# Altium PCB BMS Slave V0.1.PcbDoc (part 2 of 6)
Units mm, origin at the board's own origin, x right, y up, seen from the top; angles counter-clockwise.
Board outline 105 x 163 mm, 4 copper layers (Top Layer, L2 (GND), L3 (PWR), Bottom Layer), stack 1.56 mm thick; 517 components, 382 nets, 1358 pads, 1315 vias.
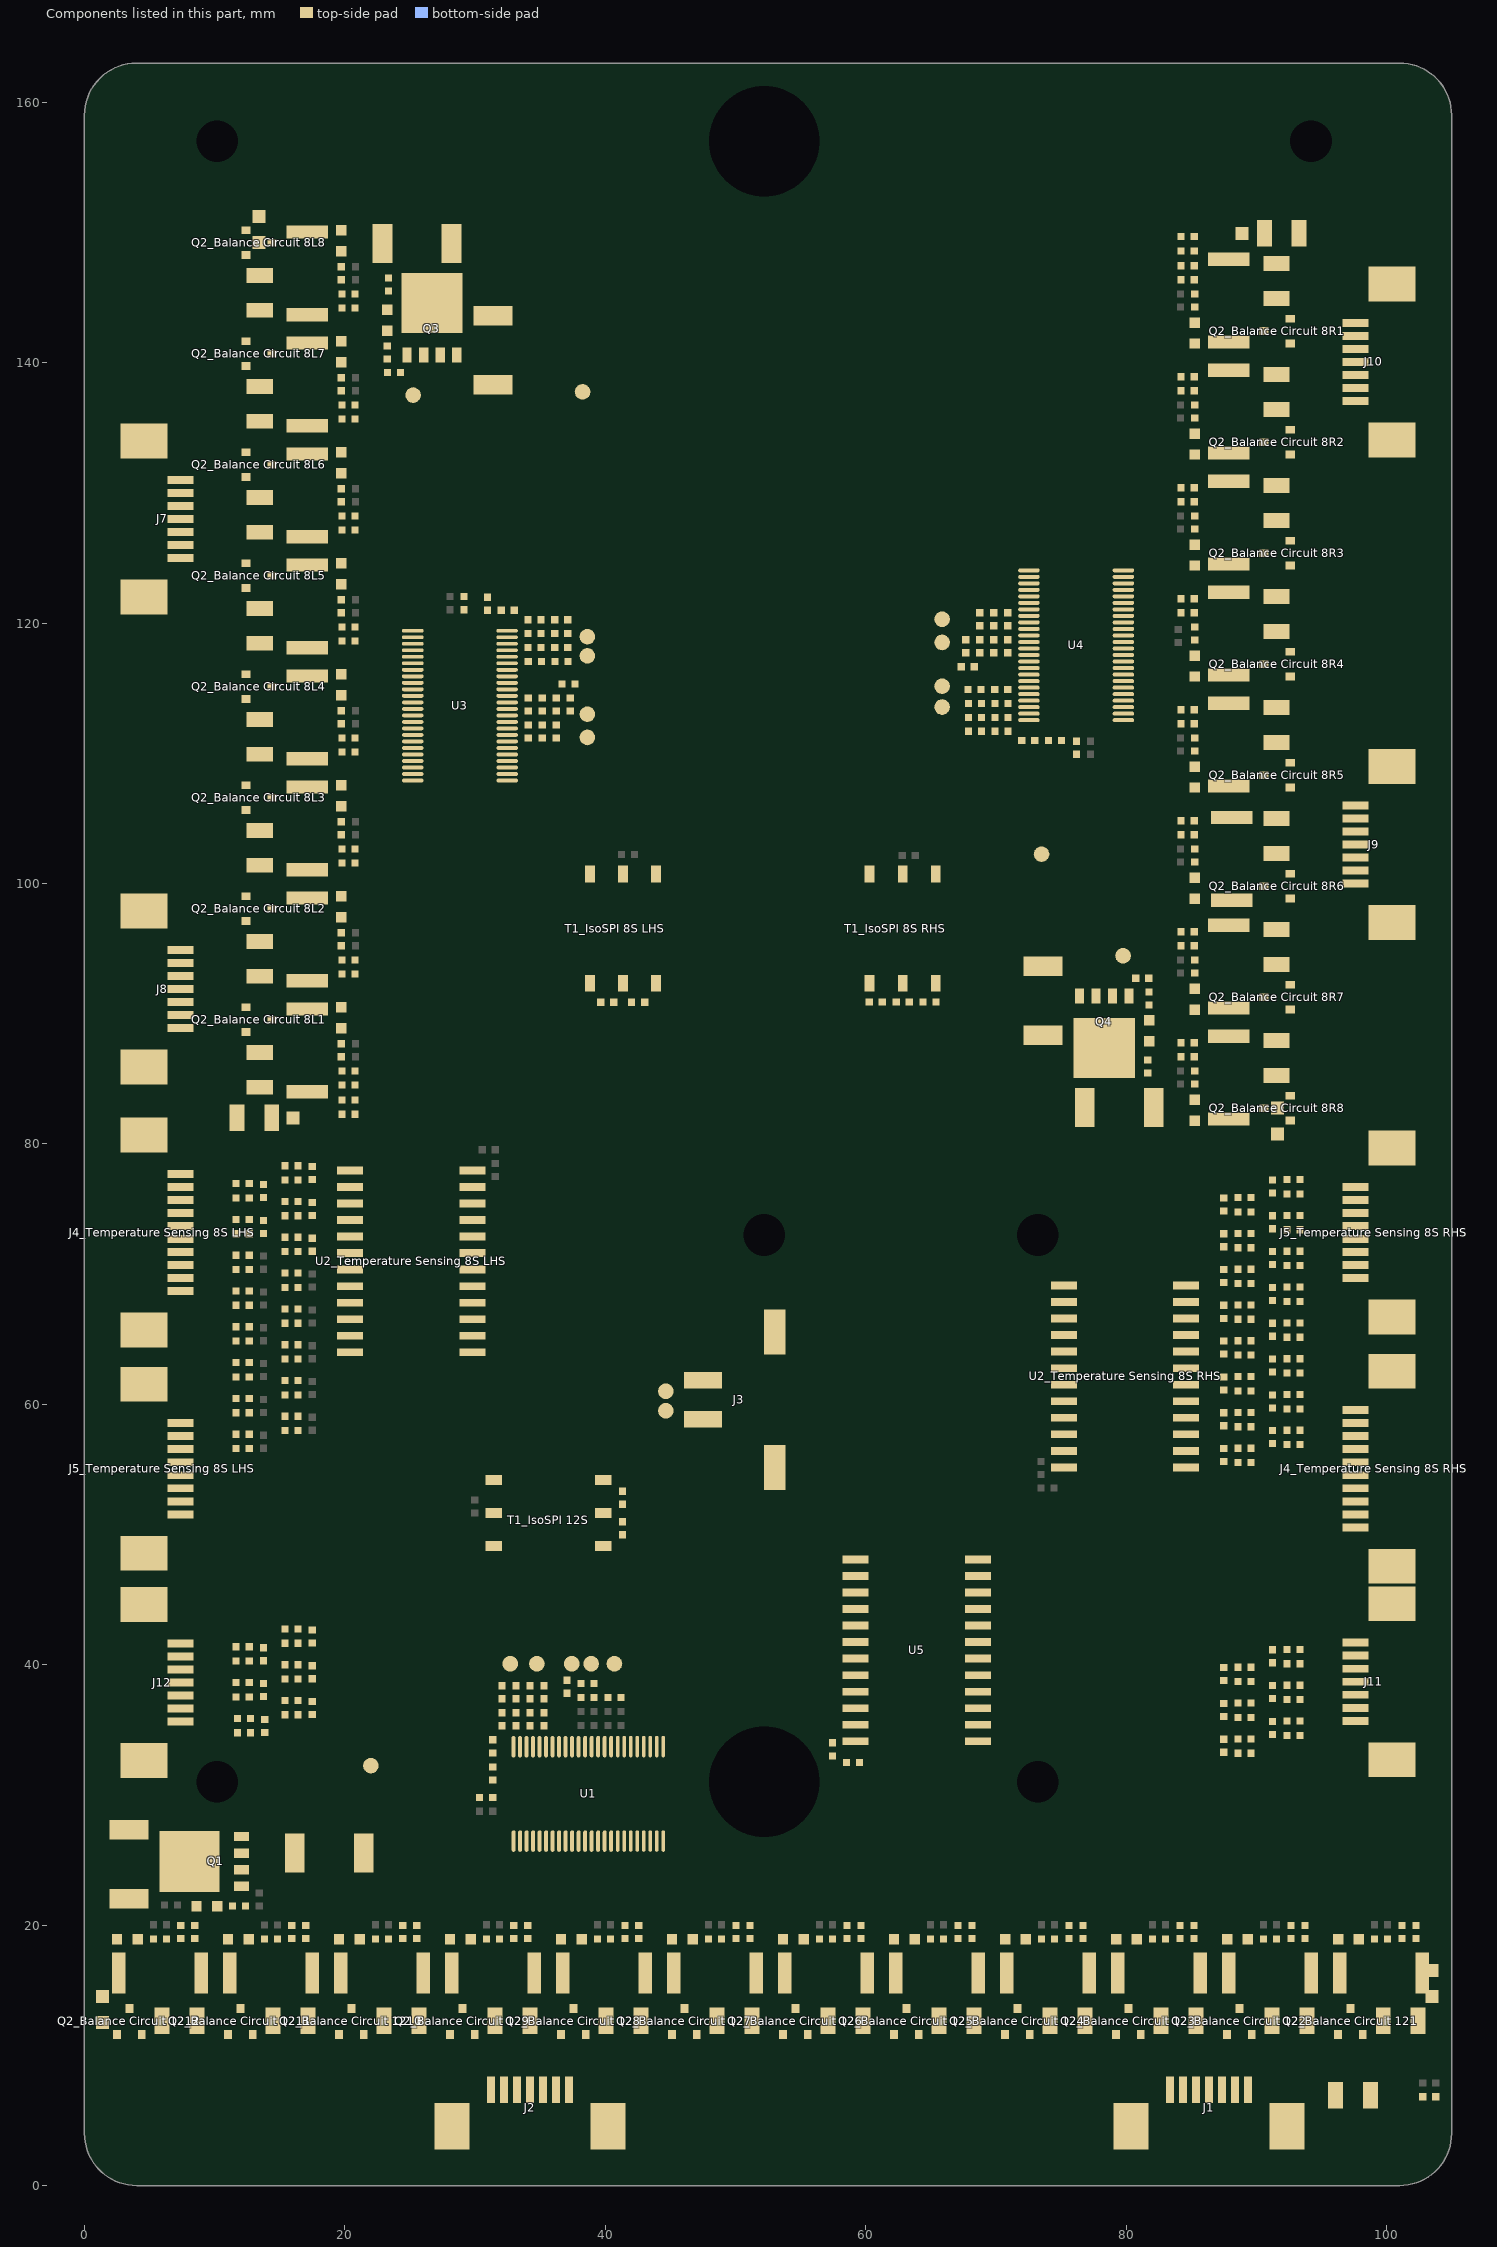
[diagram p4: the components of this part, seen from the top]

## Components (designator, comment, footprint, x,y, rotation, side; value= is the part's Value field where it differs from the comment) (continued)
"C13_NTC Sense 8S12" "C1005X7S2A103M050BB" C_0402 17.5,72.25 r270 top value=10nF (schematic designator C13)
"C13_NTC Sense 8S13" "C1005X7S2A103M050BB" C_0402 13.75,73.625 r270 top value=10nF (schematic designator C13)
"C13_NTC Sense 8S14" "C1005X7S2A103M050BB" C_0402 17.5,75 r270 top value=10nF (schematic designator C13)
"C13_NTC Sense 8S15" "C1005X7S2A103M050BB" C_0402 13.75,76.375 r270 top value=10nF (schematic designator C13)
"C13_NTC Sense 8S16" "C1005X7S2A103M050BB" C_0402 17.5,77.75 r270 top value=10nF (schematic designator C13)
"C13_NTC Sense 8S17" "C1005X7S2A103M050BB" C_0402 91.25,76.725 r90 top value=10nF (schematic designator C13)
"C13_NTC Sense 8S18" "C1005X7S2A103M050BB" C_0402 87.5,75.35 r90 top value=10nF (schematic designator C13)
"C13_NTC Sense 8S19" "C1005X7S2A103M050BB" C_0402 91.25,73.975 r90 top value=10nF (schematic designator C13)
"C13_NTC Sense 8S20" "C1005X7S2A103M050BB" C_0402 87.5,72.6 r90 top value=10nF (schematic designator C13)
"C13_NTC Sense 8S21" "C1005X7S2A103M050BB" C_0402 91.25,71.225 r90 top value=10nF (schematic designator C13)
"C13_NTC Sense 8S22" "C1005X7S2A103M050BB" C_0402 87.5,69.85 r90 top value=10nF (schematic designator C13)
"C13_NTC Sense 8S23" "C1005X7S2A103M050BB" C_0402 91.25,68.475 r90 top value=10nF (schematic designator C13)
"C13_NTC Sense 8S24" "C1005X7S2A103M050BB" C_0402 87.5,67.1 r90 top value=10nF (schematic designator C13)
"C13_NTC Sense 8S25" "C1005X7S2A103M050BB" C_0402 91.25,65.725 r90 top value=10nF (schematic designator C13)
"C13_NTC Sense 8S26" "C1005X7S2A103M050BB" C_0402 87.5,64.35 r90 top value=10nF (schematic designator C13)
"C13_NTC Sense 8S27" "C1005X7S2A103M050BB" C_0402 91.25,62.975 r90 top value=10nF (schematic designator C13)
"C13_NTC Sense 8S28" "C1005X7S2A103M050BB" C_0402 87.5,61.6 r90 top value=10nF (schematic designator C13)
"C13_NTC Sense 8S29" "C1005X7S2A103M050BB" C_0402 91.25,60.225 r90 top value=10nF (schematic designator C13)
"C13_NTC Sense 8S30" "C1005X7S2A103M050BB" C_0402 87.5,58.85 r90 top value=10nF (schematic designator C13)
"C13_NTC Sense 8S31" "C1005X7S2A103M050BB" C_0402 91.25,57.475 r90 top value=10nF (schematic designator C13)
"C13_NTC Sense 8S32" "C1005X7S2A103M050BB" C_0402 87.5,56.1 r90 top value=10nF (schematic designator C13)
"C13_NTC Sense 12S1" "C1005X7S2A103M050BB" C_0402 13.85,35.3 r270 top value=10nF (schematic designator C13)
"C13_NTC Sense 12S2" "C1005X7S2A103M050BB" C_0402 17.5,36.675 r270 top value=10nF (schematic designator C13)
"C13_NTC Sense 12S3" "C1005X7S2A103M050BB" C_0402 13.75,38.05 r270 top value=10nF (schematic designator C13)
"C13_NTC Sense 12S4" "C1005X7S2A103M050BB" C_0402 17.5,39.425 r270 top value=10nF (schematic designator C13)
"C13_NTC Sense 12S5" "C1005X7S2A103M050BB" C_0402 13.75,40.8 r270 top value=10nF (schematic designator C13)
"C13_NTC Sense 12S6" "C1005X7S2A103M050BB" C_0402 17.5,42.175 r270 top value=10nF (schematic designator C13)
"C13_NTC Sense 12S7" "C1005X7S2A103M050BB" C_0402 91.25,40.65 r90 top value=10nF (schematic designator C13)
"C13_NTC Sense 12S8" "C1005X7S2A103M050BB" C_0402 87.5,39.275 r90 top value=10nF (schematic designator C13)
"C13_NTC Sense 12S9" "C1005X7S2A103M050BB" C_0402 91.25,37.9 r90 top value=10nF (schematic designator C13)
"C13_NTC Sense 12S10" "C1005X7S2A103M050BB" C_0402 87.5,36.525 r90 top value=10nF (schematic designator C13)
"C13_NTC Sense 12S11" "C1005X7S2A103M050BB" C_0402 91.25,35.15 r90 top value=10nF (schematic designator C13)
"C13_NTC Sense 12S12" "C1005X7S2A103M050BB" C_0402 87.5,33.775 r90 top value=10nF (schematic designator C13)
C14 "GRM155R62A104KE14D" C_0402 23.338,146.007 r90 top value=100nF
C15 "EMK105BJ105KV-F" C_0402 35.163,113.732 r270 top value=1uF
C16 "GRM155R62A104KE14D" C_0402 34.088,113.732 r270 top value=100nF
C17 "GRM155R62A104KE14D" C_0402 34.088,111.657 r90 top value=100nF
C18 "EMK105BJ105KV-F" C_0402 35.163,111.657 r90 top value=1uF
C19 "EMK105BJ105KV-F" C_0402 23.763,139.232 r0 top value=1uF
C20 "C1005X7S2A103M050BB" C_0402 20.275,82.275 r0 top value=10nF
C21 "GRM155R62A104KE14D" C_0402 81.662,85.943 r270 top value=100nF
C22 "EMK105BJ105KV-F" C_0402 69.837,118.218 r90 top value=1uF
C23 "GRM155R62A104KE14D" C_0402 70.912,118.218 r90 top value=100nF
C24 "GRM155R62A104KE14D" C_0402 70.912,120.293 r270 top value=100nF
C25 "EMK105BJ105KV-F" C_0402 69.837,120.293 r270 top value=1uF
C26 "EMK105BJ105KV-F" C_0402 81.237,92.718 r180 top value=1uF
C27 "C1005X7S2A103M050BB" C_0402 84.725,149.675 r180 top value=10nF
C28 "GRM155R62A104KE14D" C_0402 59.025,32.5 r0 top value=100nF
C29 "EMK105BJ105KV-F" C_0402 57.45,33.5 r90 top value=1uF
D1 "150060SS55040" "LED (0603)" 9.403,21.438 r0 top
"D2_Balance Circuit 8L1" "150060BS55040" "LED (0603)" 19.725,89.685 r90 top (schematic designator D2)
"D2_Balance Circuit 8L2" "150060BS55040" "LED (0603)" 19.725,98.21 r90 top (schematic designator D2)
"D2_Balance Circuit 8L3" "150060BS55040" "LED (0603)" 19.725,106.735 r90 top (schematic designator D2)
"D2_Balance Circuit 8L4" "150060BS55040" "LED (0603)" 19.725,115.26 r90 top (schematic designator D2)
"D2_Balance Circuit 8L5" "150060BS55040" "LED (0603)" 19.725,123.785 r90 top (schematic designator D2)
"D2_Balance Circuit 8L6" "150060BS55040" "LED (0603)" 19.725,132.31 r90 top (schematic designator D2)
"D2_Balance Circuit 8L7" "150060BS55040" "LED (0603)" 19.725,140.835 r90 top (schematic designator D2)
"D2_Balance Circuit 8L8" "150060BS55040" "LED (0603)" 19.725,149.36 r90 top (schematic designator D2)
"D2_Balance Circuit 8R1" "150060BS55040" "LED (0603)" 85.275,142.265 r270 top (schematic designator D2)
"D2_Balance Circuit 8R2" "150060BS55040" "LED (0603)" 85.275,133.74 r270 top (schematic designator D2)
"D2_Balance Circuit 8R3" "150060BS55040" "LED (0603)" 85.275,125.215 r270 top (schematic designator D2)
"D2_Balance Circuit 8R4" "150060BS55040" "LED (0603)" 85.275,116.69 r270 top (schematic designator D2)
"D2_Balance Circuit 8R5" "150060BS55040" "LED (0603)" 85.275,108.165 r270 top (schematic designator D2)
"D2_Balance Circuit 8R6" "150060BS55040" "LED (0603)" 85.275,99.64 r270 top (schematic designator D2)
"D2_Balance Circuit 8R7" "150060BS55040" "LED (0603)" 85.275,91.115 r270 top (schematic designator D2)
"D2_Balance Circuit 8R8" "150060BS55040" "LED (0603)" 85.275,82.59 r270 top (schematic designator D2)
"D2_Balance Circuit 121" "150060BS55040" "LED (0603)" 97.075,18.925 r180 top (schematic designator D2)
"D2_Balance Circuit 122" "150060BS55040" "LED (0603)" 88.55,18.925 r180 top (schematic designator D2)
"D2_Balance Circuit 123" "150060BS55040" "LED (0603)" 80.025,18.925 r180 top (schematic designator D2)
"D2_Balance Circuit 124" "150060BS55040" "LED (0603)" 71.5,18.925 r180 top (schematic designator D2)
"D2_Balance Circuit 125" "150060BS55040" "LED (0603)" 62.975,18.925 r180 top (schematic designator D2)
"D2_Balance Circuit 126" "150060BS55040" "LED (0603)" 54.45,18.925 r180 top (schematic designator D2)
"D2_Balance Circuit 127" "150060BS55040" "LED (0603)" 45.925,18.925 r180 top (schematic designator D2)
"D2_Balance Circuit 128" "150060BS55040" "LED (0603)" 37.4,18.925 r180 top (schematic designator D2)
"D2_Balance Circuit 129" "150060BS55040" "LED (0603)" 28.875,18.925 r180 top (schematic designator D2)
"D2_Balance Circuit 1210" "150060BS55040" "LED (0603)" 20.35,18.925 r180 top (schematic designator D2)
"D2_Balance Circuit 1211" "150060BS55040" "LED (0603)" 11.825,18.925 r180 top (schematic designator D2)
"D2_Balance Circuit 1212" "150060BS55040" "LED (0603)" 3.3,18.925 r180 top (schematic designator D2)
D3 "150060SS55040" "LED (0603)" 23.238,143.257 r270 top
D4 "150060SS55040" "LED (0603)" 81.762,88.693 r90 top
F1 "0466.500NR" 0466.500NR 97.425,6.95 r0 top
"F2_Balance Circuit 8L1" "0466.500NR" 0466.500NR 13.45,85.685 r90 top (schematic designator F2)
"F2_Balance Circuit 8L2" "0466.500NR" 0466.500NR 13.45,94.21 r90 top (schematic designator F2)
"F2_Balance Circuit 8L3" "0466.500NR" 0466.500NR 13.45,102.735 r90 top (schematic designator F2)
"F2_Balance Circuit 8L4" "0466.500NR" 0466.500NR 13.45,111.26 r90 top (schematic designator F2)
"F2_Balance Circuit 8L5" "0466.500NR" 0466.500NR 13.45,119.785 r90 top (schematic designator F2)
"F2_Balance Circuit 8L6" "0466.500NR" 0466.500NR 13.45,128.31 r90 top (schematic designator F2)
"F2_Balance Circuit 8L7" "0466.500NR" 0466.500NR 13.45,136.835 r90 top (schematic designator F2)
"F2_Balance Circuit 8L8" "0466.500NR" 0466.500NR 13.45,145.36 r90 top (schematic designator F2)
"F2_Balance Circuit 8R1" "0466.500NR" 0466.500NR 91.55,146.265 r270 top (schematic designator F2)
"F2_Balance Circuit 8R2" "0466.500NR" 0466.500NR 91.55,137.74 r270 top (schematic designator F2)
"F2_Balance Circuit 8R3" "0466.500NR" 0466.500NR 91.55,129.215 r270 top (schematic designator F2)
"F2_Balance Circuit 8R4" "0466.500NR" 0466.500NR 91.55,120.69 r270 top (schematic designator F2)
"F2_Balance Circuit 8R5" "0466.500NR" 0466.500NR 91.55,112.165 r270 top (schematic designator F2)
"F2_Balance Circuit 8R6" "0466.500NR" 0466.500NR 91.55,103.64 r270 top (schematic designator F2)
"F2_Balance Circuit 8R7" "0466.500NR" 0466.500NR 91.55,95.115 r270 top (schematic designator F2)
"F2_Balance Circuit 8R8" "0466.500NR" 0466.500NR 91.55,86.59 r270 top (schematic designator F2)
"F2_Balance Circuit 121" "0466.500NR" 0466.500NR 101.075,12.65 r180 top (schematic designator F2)
"F2_Balance Circuit 122" "0466.500NR" 0466.500NR 92.55,12.65 r180 top (schematic designator F2)
"F2_Balance Circuit 123" "0466.500NR" 0466.500NR 84.025,12.65 r180 top (schematic designator F2)
"F2_Balance Circuit 124" "0466.500NR" 0466.500NR 75.5,12.65 r180 top (schematic designator F2)
"F2_Balance Circuit 125" "0466.500NR" 0466.500NR 66.975,12.65 r180 top (schematic designator F2)
"F2_Balance Circuit 126" "0466.500NR" 0466.500NR 58.45,12.65 r180 top (schematic designator F2)
"F2_Balance Circuit 127" "0466.500NR" 0466.500NR 49.925,12.65 r180 top (schematic designator F2)
"F2_Balance Circuit 128" "0466.500NR" 0466.500NR 41.4,12.65 r180 top (schematic designator F2)
"F2_Balance Circuit 129" "0466.500NR" 0466.500NR 32.875,12.65 r180 top (schematic designator F2)
"F2_Balance Circuit 1210" "0466.500NR" 0466.500NR 24.35,12.65 r180 top (schematic designator F2)
"F2_Balance Circuit 1211" "0466.500NR" 0466.500NR 15.825,12.65 r180 top (schematic designator F2)
"F2_Balance Circuit 1212" "0466.500NR" 0466.500NR 7.3,12.65 r180 top (schematic designator F2)
F3 "0466.500NR" 0466.500NR 13.05,82 r0 top
F4 "0466.500NR" 0466.500NR 91.95,149.95 r180 top
J1 "84953-7" 84953-7 86.36,7.357 r0 top
J2 "84953-7" 84953-7 34.21,7.357 r0 top
J3 "2-1445057-2" TE_2-1445057-2 53,60.35 r90 top
"J4_Temperature Sensing 8S LHS" "1-84953-0" 1-84953-0 7.375,73.19 r270 top (schematic designator J4)
"J4_Temperature Sensing 8S RHS" "1-84953-0" 1-84953-0 97.625,55.05 r90 top (schematic designator J4)
"J5_Temperature Sensing 8S LHS" "84953-8" 84953-8 7.375,55.05 r270 top (schematic designator J5)
"J5_Temperature Sensing 8S RHS" "84953-8" 84953-8 97.625,73.19 r90 top (schematic designator J5)
J7 "84953-7" 84953-7 7.375,128 r270 top
J8 "84953-7" 84953-7 7.375,91.893 r270 top
J9 "84953-7" 84953-7 97.625,102.982 r90 top
J10 "84953-7" 84953-7 97.625,140.057 r90 top
J11 "84953-7" 84953-7 97.625,38.69 r90 top
J12 "84953-7" 84953-7 7.375,38.625 r270 top
MH1 "M3 Mounting Hole" "M3 MH"#1 73.225,31.025 r0 top
MH2 "M3 Mounting Hole" "M3 MH"#1 73.225,73.025 r0 top
MH3 "M3 Mounting Hole" "M3 MH"#1 52.225,73.025 r0 top
MH4 "M3 Mounting Hole" "M3 MH"#1 10.225,31.025 r0 top
MH5 "M3 Mounting Hole" "M3 MH"#1 10.225,157.025 r0 top
MH6 "M3 Mounting Hole" "M3 MH"#2 94.2,157 r0 top
NT1 "NetTie" NetTie 103.5,14.5 r90 top net-tie
NT2 "NetTie" NetTie 1.375,12.525 r90 top net-tie
NT3 "NetTie" NetTie 16,82 r90 top net-tie
NT4 "NetTie" NetTie 13.388,149.207 r90 top net-tie
NT5 "NetTie" NetTie 88.9,149.925 r270 top net-tie
NT6 "NetTie" NetTie 91.612,82.743 r270 top net-tie
Q1 "PHPT60603NYX" "LFPAK56 (SOT669)" 10.078,24.888 r90 top
"Q2_Balance Circuit 8L1" "NX2301PVL" SOT95P230X110-3N 13.4,89.535 r0 top (schematic designator Q2)
"Q2_Balance Circuit 8L2" "NX2301PVL" SOT95P230X110-3N 13.4,98.06 r0 top (schematic designator Q2)
"Q2_Balance Circuit 8L3" "NX2301PVL" SOT95P230X110-3N 13.4,106.585 r0 top (schematic designator Q2)
"Q2_Balance Circuit 8L4" "NX2301PVL" SOT95P230X110-3N 13.4,115.11 r0 top (schematic designator Q2)
"Q2_Balance Circuit 8L5" "NX2301PVL" SOT95P230X110-3N 13.4,123.635 r0 top (schematic designator Q2)
"Q2_Balance Circuit 8L6" "NX2301PVL" SOT95P230X110-3N 13.4,132.16 r0 top (schematic designator Q2)
"Q2_Balance Circuit 8L7" "NX2301PVL" SOT95P230X110-3N 13.4,140.685 r0 top (schematic designator Q2)
"Q2_Balance Circuit 8L8" "NX2301PVL" SOT95P230X110-3N 13.4,149.21 r0 top (schematic designator Q2)
"Q2_Balance Circuit 8R1" "NX2301PVL" SOT95P230X110-3N 91.6,142.415 r180 top (schematic designator Q2)
"Q2_Balance Circuit 8R2" "NX2301PVL" SOT95P230X110-3N 91.6,133.89 r180 top (schematic designator Q2)
"Q2_Balance Circuit 8R3" "NX2301PVL" SOT95P230X110-3N 91.6,125.365 r180 top (schematic designator Q2)
"Q2_Balance Circuit 8R4" "NX2301PVL" SOT95P230X110-3N 91.6,116.84 r180 top (schematic designator Q2)
"Q2_Balance Circuit 8R5" "NX2301PVL" SOT95P230X110-3N 91.6,108.315 r180 top (schematic designator Q2)
"Q2_Balance Circuit 8R6" "NX2301PVL" SOT95P230X110-3N 91.6,99.79 r180 top (schematic designator Q2)
"Q2_Balance Circuit 8R7" "NX2301PVL" SOT95P230X110-3N 91.6,91.265 r180 top (schematic designator Q2)
"Q2_Balance Circuit 8R8" "NX2301PVL" SOT95P230X110-3N 91.6,82.74 r180 top (schematic designator Q2)
"Q2_Balance Circuit 121" "NX2301PVL" SOT95P230X110-3N 97.225,12.6 r90 top (schematic designator Q2)
"Q2_Balance Circuit 122" "NX2301PVL" SOT95P230X110-3N 88.7,12.6 r90 top (schematic designator Q2)
"Q2_Balance Circuit 123" "NX2301PVL" SOT95P230X110-3N 80.175,12.6 r90 top (schematic designator Q2)
"Q2_Balance Circuit 124" "NX2301PVL" SOT95P230X110-3N 71.65,12.6 r90 top (schematic designator Q2)
"Q2_Balance Circuit 125" "NX2301PVL" SOT95P230X110-3N 63.125,12.6 r90 top (schematic designator Q2)
"Q2_Balance Circuit 126" "NX2301PVL" SOT95P230X110-3N 54.6,12.6 r90 top (schematic designator Q2)
"Q2_Balance Circuit 127" "NX2301PVL" SOT95P230X110-3N 46.075,12.6 r90 top (schematic designator Q2)
"Q2_Balance Circuit 128" "NX2301PVL" SOT95P230X110-3N 37.55,12.6 r90 top (schematic designator Q2)
"Q2_Balance Circuit 129" "NX2301PVL" SOT95P230X110-3N 29.025,12.6 r90 top (schematic designator Q2)
"Q2_Balance Circuit 1210" "NX2301PVL" SOT95P230X110-3N 20.5,12.6 r90 top (schematic designator Q2)
"Q2_Balance Circuit 1211" "NX2301PVL" SOT95P230X110-3N 11.975,12.6 r90 top (schematic designator Q2)
"Q2_Balance Circuit 1212" "NX2301PVL" SOT95P230X110-3N 3.45,12.6 r90 top (schematic designator Q2)
Q3 "PHPT60603NYX" "LFPAK56 (SOT669)" 26.688,142.582 r0 top
Q4 "PHPT60603NYX" "LFPAK56 (SOT669)" 78.312,89.368 r180 top
R1 "CRM2010-FX-1000ELF" R_2010 3.425,24.675 r270 top value=100
R2 "RC0402JR-071ML" R_0402 38.628,38.556 r0 top value=1M
R3 "CRM2010-FX-1000ELF" R_2010 18.8,25.525 r180 top value=100
R4 "RC0402FR-071KL" R_0402 11.878,21.457 r0 top value=1k
R5 "CR0402-J/-000GLF" R_0402 38.628,37.481 r0 top value=0
R6 "CR0402-J/-000GLF" R_0402 40.703,37.481 r180 top value=0
R7 "CR0402-FX-1211GLF" R_0402 35.303,37.881 r90 top value=1.21k
R8 "RC0603FR-072K8L" R_0402 35.303,35.806 r90 top value=2.8k
R9 "RC0402FR-07100RL" R_0402 103.275,6.825 r0 top value=100
R10 "CR0402-J/-000GLF" R_0402 34.228,35.806 r90 top value=0
R11 "CR0402-J/-000GLF" R_0402 33.153,35.806 r90 top value=0
R12 "CR0402-J/-000GLF" R_0402 31.353,31.656 r270 top value=0
R13 "CR0402-J/-000GLF" R_0402 32.078,35.806 r90 top value=0
R14 "CR0402-J/-000GLF" R_0402 34.228,37.881 r270 top value=0
R15 "CR0402-J/-000GLF" R_0402 33.153,37.881 r270 top value=0
R16 "CR0402-J/-000GLF" R_0402 31.353,33.731 r270 top value=0
R17 "CR0402-J/-000GLF" R_0402 32.078,37.881 r270 top value=0
R18 "CR0402-J/-000GLF" R_0402 37.053,38.306 r90 top value=0
"R19_Balance Circuit 8L1" "RC0402FR-07100RL" R_0402 20.275,85.585 r0 top value=100 (schematic designator R19)
"R19_Balance Circuit 8L2" "RC0402FR-07100RL" R_0402 20.275,94.11 r0 top value=100 (schematic designator R19)
"R19_Balance Circuit 8L3" "RC0402FR-07100RL" R_0402 20.275,102.635 r0 top value=100 (schematic designator R19)
"R19_Balance Circuit 8L4" "RC0402FR-07100RL" R_0402 20.275,111.16 r0 top value=100 (schematic designator R19)
"R19_Balance Circuit 8L5" "RC0402FR-07100RL" R_0402 20.275,119.685 r0 top value=100 (schematic designator R19)
"R19_Balance Circuit 8L6" "RC0402FR-07100RL" R_0402 20.275,128.21 r0 top value=100 (schematic designator R19)
"R19_Balance Circuit 8L7" "RC0402FR-07100RL" R_0402 20.275,136.735 r0 top value=100 (schematic designator R19)
"R19_Balance Circuit 8L8" "RC0402FR-07100RL" R_0402 20.275,145.26 r0 top value=100 (schematic designator R19)
"R19_Balance Circuit 8R1" "RC0402FR-07100RL" R_0402 84.725,146.365 r180 top value=100 (schematic designator R19)
"R19_Balance Circuit 8R2" "RC0402FR-07100RL" R_0402 84.725,137.84 r180 top value=100 (schematic designator R19)
"R19_Balance Circuit 8R3" "RC0402FR-07100RL" R_0402 84.725,129.315 r180 top value=100 (schematic designator R19)
"R19_Balance Circuit 8R4" "RC0402FR-07100RL" R_0402 84.725,120.79 r180 top value=100 (schematic designator R19)
"R19_Balance Circuit 8R5" "RC0402FR-07100RL" R_0402 84.725,112.265 r180 top value=100 (schematic designator R19)
"R19_Balance Circuit 8R6" "RC0402FR-07100RL" R_0402 84.725,103.74 r180 top value=100 (schematic designator R19)
"R19_Balance Circuit 8R7" "RC0402FR-07100RL" R_0402 84.725,95.215 r180 top value=100 (schematic designator R19)
"R19_Balance Circuit 8R8" "RC0402FR-07100RL" R_0402 84.725,86.69 r180 top value=100 (schematic designator R19)
"R19_Balance Circuit 121" "RC0402FR-07100RL" R_0402 101.175,19.475 r90 top value=100 (schematic designator R19)
"R19_Balance Circuit 122" "RC0402FR-07100RL" R_0402 92.65,19.475 r90 top value=100 (schematic designator R19)
"R19_Balance Circuit 123" "RC0402FR-07100RL" R_0402 84.125,19.475 r90 top value=100 (schematic designator R19)
"R19_Balance Circuit 124" "RC0402FR-07100RL" R_0402 75.6,19.475 r90 top value=100 (schematic designator R19)
"R19_Balance Circuit 125" "RC0402FR-07100RL" R_0402 67.075,19.475 r90 top value=100 (schematic designator R19)
"R19_Balance Circuit 126" "RC0402FR-07100RL" R_0402 58.55,19.475 r90 top value=100 (schematic designator R19)
"R19_Balance Circuit 127" "RC0402FR-07100RL" R_0402 50.025,19.475 r90 top value=100 (schematic designator R19)
"R19_Balance Circuit 128" "RC0402FR-07100RL" R_0402 41.5,19.475 r90 top value=100 (schematic designator R19)
"R19_Balance Circuit 129" "RC0402FR-07100RL" R_0402 32.975,19.475 r90 top value=100 (schematic designator R19)
"R19_Balance Circuit 1210" "RC0402FR-07100RL" R_0402 24.45,19.475 r90 top value=100 (schematic designator R19)
"R19_Balance Circuit 1211" "RC0402FR-07100RL" R_0402 15.925,19.475 r90 top value=100 (schematic designator R19)
"R19_Balance Circuit 1212" "RC0402FR-07100RL" R_0402 7.4,19.475 r90 top value=100 (schematic designator R19)
"R20_Balance Circuit 8L1" "AC0402FR-073K3L" R_0402 20.275,84.51 r0 top value=3.3k (schematic designator R20)
"R20_Balance Circuit 8L2" "AC0402FR-073K3L" R_0402 20.275,93.035 r0 top value=3.3k (schematic designator R20)
"R20_Balance Circuit 8L3" "AC0402FR-073K3L" R_0402 20.275,101.56 r0 top value=3.3k (schematic designator R20)
"R20_Balance Circuit 8L4" "AC0402FR-073K3L" R_0402 20.275,110.085 r0 top value=3.3k (schematic designator R20)
"R20_Balance Circuit 8L5" "AC0402FR-073K3L" R_0402 20.275,118.61 r0 top value=3.3k (schematic designator R20)
"R20_Balance Circuit 8L6" "AC0402FR-073K3L" R_0402 20.275,127.135 r0 top value=3.3k (schematic designator R20)
"R20_Balance Circuit 8L7" "AC0402FR-073K3L" R_0402 20.275,135.66 r0 top value=3.3k (schematic designator R20)
"R20_Balance Circuit 8L8" "AC0402FR-073K3L" R_0402 20.275,144.185 r0 top value=3.3k (schematic designator R20)
"R20_Balance Circuit 8R1" "AC0402FR-073K3L" R_0402 84.725,147.44 r180 top value=3.3k (schematic designator R20)
"R20_Balance Circuit 8R2" "AC0402FR-073K3L" R_0402 84.725,138.915 r180 top value=3.3k (schematic designator R20)
"R20_Balance Circuit 8R3" "AC0402FR-073K3L" R_0402 84.725,130.39 r180 top value=3.3k (schematic designator R20)
"R20_Balance Circuit 8R4" "AC0402FR-073K3L" R_0402 84.725,121.865 r180 top value=3.3k (schematic designator R20)
"R20_Balance Circuit 8R5" "AC0402FR-073K3L" R_0402 84.725,113.34 r180 top value=3.3k (schematic designator R20)
"R20_Balance Circuit 8R6" "AC0402FR-073K3L" R_0402 84.725,104.815 r180 top value=3.3k (schematic designator R20)
"R20_Balance Circuit 8R7" "AC0402FR-073K3L" R_0402 84.725,96.29 r180 top value=3.3k (schematic designator R20)
"R20_Balance Circuit 8R8" "AC0402FR-073K3L" R_0402 84.725,87.765 r180 top value=3.3k (schematic designator R20)
"R20_Balance Circuit 121" "AC0402FR-073K3L" R_0402 102.25,19.475 r90 top value=3.3k (schematic designator R20)
"R20_Balance Circuit 122" "AC0402FR-073K3L" R_0402 93.725,19.475 r90 top value=3.3k (schematic designator R20)
"R20_Balance Circuit 123" "AC0402FR-073K3L" R_0402 85.2,19.475 r90 top value=3.3k (schematic designator R20)
"R20_Balance Circuit 124" "AC0402FR-073K3L" R_0402 76.675,19.475 r90 top value=3.3k (schematic designator R20)
"R20_Balance Circuit 125" "AC0402FR-073K3L" R_0402 68.15,19.475 r90 top value=3.3k (schematic designator R20)
"R20_Balance Circuit 126" "AC0402FR-073K3L" R_0402 59.625,19.475 r90 top value=3.3k (schematic designator R20)
"R20_Balance Circuit 127" "AC0402FR-073K3L" R_0402 51.1,19.475 r90 top value=3.3k (schematic designator R20)
"R20_Balance Circuit 128" "AC0402FR-073K3L" R_0402 42.575,19.475 r90 top value=3.3k (schematic designator R20)
"R20_Balance Circuit 129" "AC0402FR-073K3L" R_0402 34.05,19.475 r90 top value=3.3k (schematic designator R20)
"R20_Balance Circuit 1210" "AC0402FR-073K3L" R_0402 25.525,19.475 r90 top value=3.3k (schematic designator R20)
"R20_Balance Circuit 1211" "AC0402FR-073K3L" R_0402 17,19.475 r90 top value=3.3k (schematic designator R20)
"R20_Balance Circuit 1212" "AC0402FR-073K3L" R_0402 8.475,19.475 r90 top value=3.3k (schematic designator R20)
"R21_Balance Circuit 8L1" "CRM2512-JW-220ELF" R_2512#1 17.125,87.185 r90 top value=21 (schematic designator R21)
"R21_Balance Circuit 8L2" "CRM2512-JW-220ELF" R_2512#1 17.125,95.71 r90 top value=21 (schematic designator R21)
"R21_Balance Circuit 8L3" "CRM2512-JW-220ELF" R_2512#1 17.125,104.235 r90 top value=21 (schematic designator R21)
"R21_Balance Circuit 8L4" "CRM2512-JW-220ELF" R_2512#1 17.125,112.76 r90 top value=21 (schematic designator R21)
"R21_Balance Circuit 8L5" "CRM2512-JW-220ELF" R_2512#1 17.125,121.285 r90 top value=21 (schematic designator R21)
"R21_Balance Circuit 8L6" "CRM2512-JW-220ELF" R_2512#2 16.875,130.06 r90 top value=21 (schematic designator R21)
"R21_Balance Circuit 8L7" "CRM2512-JW-220ELF" R_2512#1 17.125,138.335 r90 top value=21 (schematic designator R21)
"R21_Balance Circuit 8L8" "CRM2512-JW-220ELF" R_2512#1 17.125,146.86 r90 top value=21 (schematic designator R21)
"R21_Balance Circuit 8R1" "CRM2512-JW-220ELF" R_2512#1 87.875,144.765 r270 top value=21 (schematic designator R21)
"R21_Balance Circuit 8R2" "CRM2512-JW-220ELF" R_2512#1 87.875,136.24 r270 top value=21 (schematic designator R21)
"R21_Balance Circuit 8R3" "CRM2512-JW-220ELF" R_2512#1 87.875,127.715 r270 top value=21 (schematic designator R21)
"R21_Balance Circuit 8R4" "CRM2512-JW-220ELF" R_2512#1 87.875,119.19 r270 top value=21 (schematic designator R21)
"R21_Balance Circuit 8R5" "CRM2512-JW-220ELF" R_2512#1 87.875,110.665 r270 top value=21 (schematic designator R21)
"R21_Balance Circuit 8R6" "CRM2512-JW-220ELF" R_2512#1 88.125,101.89 r270 top value=21 (schematic designator R21)
"R21_Balance Circuit 8R7" "CRM2512-JW-220ELF" R_2512#1 87.875,93.615 r270 top value=21 (schematic designator R21)
"R21_Balance Circuit 8R8" "CRM2512-JW-220ELF" R_2512#1 87.875,85.09 r270 top value=21 (schematic designator R21)
"R21_Balance Circuit 121" "CRM2512-JW-220ELF" R_2512#1 99.575,16.325 r180 top value=21 (schematic designator R21)
"R21_Balance Circuit 122" "CRM2512-JW-220ELF" R_2512#1 91.05,16.325 r180 top value=21 (schematic designator R21)
"R21_Balance Circuit 123" "CRM2512-JW-220ELF" R_2512#1 82.525,16.325 r180 top value=21 (schematic designator R21)
"R21_Balance Circuit 124" "CRM2512-JW-220ELF" R_2512#1 74,16.325 r180 top value=21 (schematic designator R21)
"R21_Balance Circuit 125" "CRM2512-JW-220ELF" R_2512#1 65.475,16.325 r180 top value=21 (schematic designator R21)
"R21_Balance Circuit 126" "CRM2512-JW-220ELF" R_2512#1 56.95,16.325 r180 top value=21 (schematic designator R21)
"R21_Balance Circuit 127" "CRM2512-JW-220ELF" R_2512#1 48.425,16.325 r180 top value=21 (schematic designator R21)
"R21_Balance Circuit 128" "CRM2512-JW-220ELF" R_2512#1 39.9,16.325 r180 top value=21 (schematic designator R21)
"R21_Balance Circuit 129" "CRM2512-JW-220ELF" R_2512#1 31.375,16.325 r180 top value=21 (schematic designator R21)
"R21_Balance Circuit 1210" "CRM2512-JW-220ELF" R_2512#1 22.85,16.325 r180 top value=21 (schematic designator R21)
"R21_Balance Circuit 1211" "CRM2512-JW-220ELF" R_2512#1 14.325,16.325 r180 top value=21 (schematic designator R21)
"R21_Balance Circuit 1212" "CRM2512-JW-220ELF" R_2512#1 5.8,16.325 r180 top value=21 (schematic designator R21)
"R22_Balance Circuit 8L1" "RC0402FR-071KL" R_0402 19.725,87.185 r90 top value=1k (schematic designator R22)
"R22_Balance Circuit 8L2" "RC0402FR-071KL" R_0402 19.725,95.71 r90 top value=1k (schematic designator R22)
"R22_Balance Circuit 8L3" "RC0402FR-071KL" R_0402 19.725,104.235 r90 top value=1k (schematic designator R22)
"R22_Balance Circuit 8L4" "RC0402FR-071KL" R_0402 19.725,112.76 r90 top value=1k (schematic designator R22)
"R22_Balance Circuit 8L5" "RC0402FR-071KL" R_0402 19.725,121.285 r90 top value=1k (schematic designator R22)
"R22_Balance Circuit 8L6" "RC0402FR-071KL" R_0402 19.725,129.81 r90 top value=1k (schematic designator R22)
"R22_Balance Circuit 8L7" "RC0402FR-071KL" R_0402 19.725,138.335 r90 top value=1k (schematic designator R22)
"R22_Balance Circuit 8L8" "RC0402FR-071KL" R_0402 19.725,146.86 r90 top value=1k (schematic designator R22)
"R22_Balance Circuit 8R1" "RC0402FR-071KL" R_0402 85.275,144.765 r270 top value=1k (schematic designator R22)
"R22_Balance Circuit 8R2" "RC0402FR-071KL" R_0402 85.275,136.24 r270 top value=1k (schematic designator R22)
"R22_Balance Circuit 8R3" "RC0402FR-071KL" R_0402 85.275,127.715 r270 top value=1k (schematic designator R22)
"R22_Balance Circuit 8R4" "RC0402FR-071KL" R_0402 85.275,119.19 r270 top value=1k (schematic designator R22)
"R22_Balance Circuit 8R5" "RC0402FR-071KL" R_0402 85.275,110.665 r270 top value=1k (schematic designator R22)
"R22_Balance Circuit 8R6" "RC0402FR-071KL" R_0402 85.275,102.14 r270 top value=1k (schematic designator R22)
"R22_Balance Circuit 8R7" "RC0402FR-071KL" R_0402 85.275,93.615 r270 top value=1k (schematic designator R22)
"R22_Balance Circuit 8R8" "RC0402FR-071KL" R_0402 85.275,85.09 r270 top value=1k (schematic designator R22)
"R22_Balance Circuit 121" "RC0402FR-071KL" R_0402 99.575,18.925 r180 top value=1k (schematic designator R22)
"R22_Balance Circuit 122" "RC0402FR-071KL" R_0402 91.05,18.925 r180 top value=1k (schematic designator R22)
"R22_Balance Circuit 123" "RC0402FR-071KL" R_0402 82.525,18.925 r180 top value=1k (schematic designator R22)
"R22_Balance Circuit 124" "RC0402FR-071KL" R_0402 74,18.925 r180 top value=1k (schematic designator R22)
"R22_Balance Circuit 125" "RC0402FR-071KL" R_0402 65.475,18.925 r180 top value=1k (schematic designator R22)
"R22_Balance Circuit 126" "RC0402FR-071KL" R_0402 56.95,18.925 r180 top value=1k (schematic designator R22)
"R22_Balance Circuit 127" "RC0402FR-071KL" R_0402 48.425,18.925 r180 top value=1k (schematic designator R22)
"R22_Balance Circuit 128" "RC0402FR-071KL" R_0402 39.9,18.925 r180 top value=1k (schematic designator R22)
"R22_Balance Circuit 129" "RC0402FR-071KL" R_0402 31.375,18.925 r180 top value=1k (schematic designator R22)
"R22_Balance Circuit 1210" "RC0402FR-071KL" R_0402 22.85,18.925 r180 top value=1k (schematic designator R22)
"R22_Balance Circuit 1211" "RC0402FR-071KL" R_0402 14.325,18.925 r180 top value=1k (schematic designator R22)
"R22_Balance Circuit 1212" "RC0402FR-071KL" R_0402 5.8,18.925 r180 top value=1k (schematic designator R22)
"R23_IsoSPI 8S LHS" "SR0402JR-0722RL" R_0402 40.15,90.875 r180 top value=22 (schematic designator R23)
"R23_IsoSPI 8S RHS" "SR0402JR-0722RL" R_0402 60.775,90.9 r180 top value=22 (schematic designator R23)
"R23_IsoSPI 12S" "SR0402JR-0722RL" R_0402 41.325,50.475 r270 top value=22 (schematic designator R23)
"R24_IsoSPI 8S LHS" "CRCW0402402RFKEDC" R_0402 29.15,121.525 r270 top value=402 (schematic designator R24)
"R24_IsoSPI 8S RHS" "CRCW0402402RFKEDC" R_0402 76.175,110.425 r90 top value=402 (schematic designator R24)
"R24_IsoSPI 12S" "CRCW0402402RFKEDC" R_0402 30.85,29.8 r0 top value=402 (schematic designator R24)
"R25_NTC Sense 8S1" "RC0402FR-1310KL" R_0402 12.15,57.7 r0 top value=10k (schematic designator R25)
"R25_NTC Sense 8S2" "RC0402FR-1310KL" R_0402 15.9,59.075 r0 top value=10k (schematic designator R25)
"R25_NTC Sense 8S3" "RC0402FR-1310KL" R_0402 12.15,60.45 r0 top value=10k (schematic designator R25)
"R25_NTC Sense 8S4" "RC0402FR-1310KL" R_0402 15.9,61.825 r0 top value=10k (schematic designator R25)
"R25_NTC Sense 8S5" "RC0402FR-1310KL" R_0402 12.15,63.2 r0 top value=10k (schematic designator R25)
"R25_NTC Sense 8S6" "RC0402FR-1310KL" R_0402 15.9,64.575 r0 top value=10k (schematic designator R25)
"R25_NTC Sense 8S7" "RC0402FR-1310KL" R_0402 12.15,65.95 r0 top value=10k (schematic designator R25)
"R25_NTC Sense 8S8" "RC0402FR-1310KL" R_0402 15.9,67.325 r0 top value=10k (schematic designator R25)
"R25_NTC Sense 8S9" "RC0402FR-1310KL" R_0402 12.15,68.7 r0 top value=10k (schematic designator R25)
"R25_NTC Sense 8S10" "RC0402FR-1310KL" R_0402 15.9,70.075 r0 top value=10k (schematic designator R25)
"R25_NTC Sense 8S11" "RC0402FR-1310KL" R_0402 12.15,71.45 r0 top value=10k (schematic designator R25)
"R25_NTC Sense 8S12" "RC0402FR-1310KL" R_0402 15.9,72.825 r0 top value=10k (schematic designator R25)
"R25_NTC Sense 8S13" "RC0402FR-1310KL" R_0402 12.15,74.2 r0 top value=10k (schematic designator R25)
"R25_NTC Sense 8S14" "RC0402FR-1310KL" R_0402 15.9,75.575 r0 top value=10k (schematic designator R25)
"R25_NTC Sense 8S15" "RC0402FR-1310KL" R_0402 12.15,76.95 r0 top value=10k (schematic designator R25)
"R25_NTC Sense 8S16" "RC0402FR-1310KL" R_0402 15.9,78.325 r0 top value=10k (schematic designator R25)
"R25_NTC Sense 8S17" "RC0402FR-1310KL" R_0402 92.85,76.15 r180 top value=10k (schematic designator R25)
"R25_NTC Sense 8S18" "RC0402FR-1310KL" R_0402 89.1,74.775 r180 top value=10k (schematic designator R25)
"R25_NTC Sense 8S19" "RC0402FR-1310KL" R_0402 92.85,73.4 r180 top value=10k (schematic designator R25)
"R25_NTC Sense 8S20" "RC0402FR-1310KL" R_0402 89.1,72.025 r180 top value=10k (schematic designator R25)
"R25_NTC Sense 8S21" "RC0402FR-1310KL" R_0402 92.85,70.65 r180 top value=10k (schematic designator R25)
"R25_NTC Sense 8S22" "RC0402FR-1310KL" R_0402 89.1,69.275 r180 top value=10k (schematic designator R25)
"R25_NTC Sense 8S23" "RC0402FR-1310KL" R_0402 92.85,67.9 r180 top value=10k (schematic designator R25)
"R25_NTC Sense 8S24" "RC0402FR-1310KL" R_0402 89.1,66.525 r180 top value=10k (schematic designator R25)
"R25_NTC Sense 8S25" "RC0402FR-1310KL" R_0402 92.85,65.15 r180 top value=10k (schematic designator R25)
"R25_NTC Sense 8S26" "RC0402FR-1310KL" R_0402 89.1,63.775 r180 top value=10k (schematic designator R25)
"R25_NTC Sense 8S27" "RC0402FR-1310KL" R_0402 92.85,62.4 r180 top value=10k (schematic designator R25)
"R25_NTC Sense 8S28" "RC0402FR-1310KL" R_0402 89.1,61.025 r180 top value=10k (schematic designator R25)
"R25_NTC Sense 8S29" "RC0402FR-1310KL" R_0402 92.85,59.65 r180 top value=10k (schematic designator R25)
"R25_NTC Sense 8S30" "RC0402FR-1310KL" R_0402 89.1,58.275 r180 top value=10k (schematic designator R25)
"R25_NTC Sense 8S31" "RC0402FR-1310KL" R_0402 92.85,56.9 r180 top value=10k (schematic designator R25)
"R25_NTC Sense 8S32" "RC0402FR-1310KL" R_0402 89.1,55.525 r180 top value=10k (schematic designator R25)
"R25_NTC Sense 12S1" "RC0402FR-1310KL" R_0402 12.25,35.875 r0 top value=10k (schematic designator R25)
"R25_NTC Sense 12S2" "RC0402FR-1310KL" R_0402 15.9,37.25 r0 top value=10k (schematic designator R25)
"R25_NTC Sense 12S3" "RC0402FR-1310KL" R_0402 12.15,38.625 r0 top value=10k (schematic designator R25)
"R25_NTC Sense 12S4" "RC0402FR-1310KL" R_0402 15.9,40 r0 top value=10k (schematic designator R25)
"R25_NTC Sense 12S5" "RC0402FR-1310KL" R_0402 12.15,41.375 r0 top value=10k (schematic designator R25)
"R25_NTC Sense 12S6" "RC0402FR-1310KL" R_0402 15.9,42.75 r0 top value=10k (schematic designator R25)
"R25_NTC Sense 12S7" "RC0402FR-1310KL" R_0402 92.85,40.075 r180 top value=10k (schematic designator R25)
"R25_NTC Sense 12S8" "RC0402FR-1310KL" R_0402 89.1,38.7 r180 top value=10k (schematic designator R25)
"R25_NTC Sense 12S9" "RC0402FR-1310KL" R_0402 92.85,37.325 r180 top value=10k (schematic designator R25)
"R25_NTC Sense 12S10" "RC0402FR-1310KL" R_0402 89.1,35.95 r180 top value=10k (schematic designator R25)
"R25_NTC Sense 12S11" "RC0402FR-1310KL" R_0402 92.85,34.575 r180 top value=10k (schematic designator R25)
"R25_NTC Sense 12S12" "RC0402FR-1310KL" R_0402 89.1,33.2 r180 top value=10k (schematic designator R25)
"R26_NTC Sense 8S1" "RC0402FR-07100RL" R_0402 12.15,56.6 r180 top value=100 (schematic designator R26)
"R26_NTC Sense 8S2" "RC0402FR-07100RL" R_0402 15.9,57.975 r180 top value=100 (schematic designator R26)
"R26_NTC Sense 8S3" "RC0402FR-07100RL" R_0402 12.15,59.35 r180 top value=100 (schematic designator R26)
"R26_NTC Sense 8S4" "RC0402FR-07100RL" R_0402 15.9,60.725 r180 top value=100 (schematic designator R26)
"R26_NTC Sense 8S5" "RC0402FR-07100RL" R_0402 12.15,62.1 r180 top value=100 (schematic designator R26)
"R26_NTC Sense 8S6" "RC0402FR-07100RL" R_0402 15.9,63.475 r180 top value=100 (schematic designator R26)
"R26_NTC Sense 8S7" "RC0402FR-07100RL" R_0402 12.15,64.85 r180 top value=100 (schematic designator R26)
"R26_NTC Sense 8S8" "RC0402FR-07100RL" R_0402 15.9,66.225 r180 top value=100 (schematic designator R26)
"R26_NTC Sense 8S9" "RC0402FR-07100RL" R_0402 12.15,67.6 r180 top value=100 (schematic designator R26)
"R26_NTC Sense 8S10" "RC0402FR-07100RL" R_0402 15.9,68.975 r180 top value=100 (schematic designator R26)
"R26_NTC Sense 8S11" "RC0402FR-07100RL" R_0402 12.15,70.35 r180 top value=100 (schematic designator R26)
"R26_NTC Sense 8S12" "RC0402FR-07100RL" R_0402 15.9,71.725 r180 top value=100 (schematic designator R26)
"R26_NTC Sense 8S13" "RC0402FR-07100RL" R_0402 12.15,73.1 r180 top value=100 (schematic designator R26)
"R26_NTC Sense 8S14" "RC0402FR-07100RL" R_0402 15.9,74.475 r180 top value=100 (schematic designator R26)
"R26_NTC Sense 8S15" "RC0402FR-07100RL" R_0402 12.15,75.85 r180 top value=100 (schematic designator R26)
"R26_NTC Sense 8S16" "RC0402FR-07100RL" R_0402 15.9,77.225 r180 top value=100 (schematic designator R26)
"R26_NTC Sense 8S17" "RC0402FR-07100RL" R_0402 92.85,77.25 r0 top value=100 (schematic designator R26)
"R26_NTC Sense 8S18" "RC0402FR-07100RL" R_0402 89.1,75.875 r0 top value=100 (schematic designator R26)
"R26_NTC Sense 8S19" "RC0402FR-07100RL" R_0402 92.85,74.5 r0 top value=100 (schematic designator R26)
"R26_NTC Sense 8S20" "RC0402FR-07100RL" R_0402 89.1,73.125 r0 top value=100 (schematic designator R26)
"R26_NTC Sense 8S21" "RC0402FR-07100RL" R_0402 92.85,71.75 r0 top value=100 (schematic designator R26)
"R26_NTC Sense 8S22" "RC0402FR-07100RL" R_0402 89.1,70.375 r0 top value=100 (schematic designator R26)
"R26_NTC Sense 8S23" "RC0402FR-07100RL" R_0402 92.85,69 r0 top value=100 (schematic designator R26)
"R26_NTC Sense 8S24" "RC0402FR-07100RL" R_0402 89.1,67.625 r0 top value=100 (schematic designator R26)
"R26_NTC Sense 8S25" "RC0402FR-07100RL" R_0402 92.85,66.25 r0 top value=100 (schematic designator R26)
"R26_NTC Sense 8S26" "RC0402FR-07100RL" R_0402 89.1,64.875 r0 top value=100 (schematic designator R26)
"R26_NTC Sense 8S27" "RC0402FR-07100RL" R_0402 92.85,63.5 r0 top value=100 (schematic designator R26)
"R26_NTC Sense 8S28" "RC0402FR-07100RL" R_0402 89.1,62.125 r0 top value=100 (schematic designator R26)
"R26_NTC Sense 8S29" "RC0402FR-07100RL" R_0402 92.85,60.75 r0 top value=100 (schematic designator R26)
"R26_NTC Sense 8S30" "RC0402FR-07100RL" R_0402 89.1,59.375 r0 top value=100 (schematic designator R26)
"R26_NTC Sense 8S31" "RC0402FR-07100RL" R_0402 92.85,58 r0 top value=100 (schematic designator R26)
"R26_NTC Sense 8S32" "RC0402FR-07100RL" R_0402 89.1,56.625 r0 top value=100 (schematic designator R26)
"R26_NTC Sense 12S1" "RC0402FR-07100RL" R_0402 12.25,34.775 r180 top value=100 (schematic designator R26)
"R26_NTC Sense 12S2" "RC0402FR-07100RL" R_0402 15.9,36.15 r180 top value=100 (schematic designator R26)
"R26_NTC Sense 12S3" "RC0402FR-07100RL" R_0402 12.15,37.525 r180 top value=100 (schematic designator R26)
"R26_NTC Sense 12S4" "RC0402FR-07100RL" R_0402 15.9,38.9 r180 top value=100 (schematic designator R26)
"R26_NTC Sense 12S5" "RC0402FR-07100RL" R_0402 12.15,40.275 r180 top value=100 (schematic designator R26)
"R26_NTC Sense 12S6" "RC0402FR-07100RL" R_0402 15.9,41.65 r180 top value=100 (schematic designator R26)
"R26_NTC Sense 12S7" "RC0402FR-07100RL" R_0402 92.85,41.175 r0 top value=100 (schematic designator R26)
"R26_NTC Sense 12S8" "RC0402FR-07100RL" R_0402 89.1,39.8 r0 top value=100 (schematic designator R26)
"R26_NTC Sense 12S9" "RC0402FR-07100RL" R_0402 92.85,38.425 r0 top value=100 (schematic designator R26)
"R26_NTC Sense 12S10" "RC0402FR-07100RL" R_0402 89.1,37.05 r0 top value=100 (schematic designator R26)
"R26_NTC Sense 12S11" "RC0402FR-07100RL" R_0402 92.85,35.675 r0 top value=100 (schematic designator R26)
"R26_NTC Sense 12S12" "RC0402FR-07100RL" R_0402 89.1,34.3 r0 top value=100 (schematic designator R26)
R27 "CRM2010-FX-1000ELF" R_2010 25.538,149.157 r180 top value=100
R28 "RC0402JR-071ML" R_0402 37.313,113.732 r270 top value=1M
R29 "CRM2010-FX-1000ELF" R_2010 31.388,140.957 r90 top value=100
R30 "RC0402FR-071KL" R_0402 23.257,140.782 r270 top value=1k
R31 "CR0402-J/-000GLF" R_0402 36.238,113.732 r270 top value=0
R32 "CR0402-J/-000GLF" R_0402 36.238,111.657 r90 top value=0
R33 "CR0402-FX-1211GLF" R_0402 36.638,117.057 r0 top value=1.21k
R34 "RC0603FR-072K8L" R_0402 34.588,117.057 r0 top value=2.8k
R35 "RC0402FR-07100RL" R_0402 20.275,83.375 r0 top value=100
R36 "CR0402-J/-000GLF" R_0402 34.563,118.132 r0 top value=0
R37 "CR0402-J/-000GLF" R_0402 34.563,119.207 r0 top value=0
R38 "CR0402-J/-000GLF" R_0402 30.95,121.475 r90 top value=0
R39 "CR0402-J/-000GLF" R_0402 34.563,120.257 r0 top value=0
R40 "CR0402-J/-000GLF" R_0402 36.613,118.132 r180 top value=0
R41 "CR0402-J/-000GLF" R_0402 36.613,119.207 r180 top value=0
R42 "CR0402-J/-000GLF" R_0402 32.513,120.982 r180 top value=0
R43 "CR0402-J/-000GLF" R_0402 36.613,120.257 r180 top value=0
R44 "CR0402-J/-000GLF" R_0402 37.163,115.307 r0 top value=0
R45 "CRM2010-FX-1000ELF" R_2010 79.462,82.793 r0 top value=100
R46 "RC0402JR-071ML" R_0402 67.687,118.218 r90 top value=1M
R47 "CRM2010-FX-1000ELF" R_2010 73.612,90.993 r270 top value=100
R48 "RC0402FR-071KL" R_0402 81.743,91.168 r90 top value=1k
R49 "CR0402-J/-000GLF" R_0402 68.762,118.218 r90 top value=0
R50 "CR0402-J/-000GLF" R_0402 68.762,120.293 r270 top value=0
R51 "CR0402-FX-1211GLF" R_0402 68.362,114.893 r180 top value=1.21k
R52 "RC0603FR-072K8L" R_0402 70.412,114.893 r180 top value=2.8k
R53 "RC0402FR-07100RL" R_0402 84.725,148.575 r180 top value=100
R54 "CR0402-J/-000GLF" R_0402 70.437,113.818 r180 top value=0
R55 "CR0402-J/-000GLF" R_0402 70.437,112.743 r180 top value=0
R56 "CR0402-J/-000GLF" R_0402 74.537,110.968 r0 top value=0
R57 "CR0402-J/-000GLF" R_0402 70.437,111.693 r180 top value=0
R58 "CR0402-J/-000GLF" R_0402 68.387,113.818 r0 top value=0
R59 "CR0402-J/-000GLF" R_0402 68.387,112.743 r0 top value=0
R60 "CR0402-J/-000GLF" R_0402 72.487,110.968 r0 top value=0
R61 "CR0402-J/-000GLF" R_0402 68.387,111.693 r0 top value=0
R62 "CR0402-J/-000GLF" R_0402 67.837,116.643 r180 top value=0
R63 "CRCW060351R0JNEA" R_0402 62.84,90.9 r180 top value=100
"R64_IsoSPI 8S LHS" "SR0402JR-0722RL" R_0402 42.525,90.875 r0 top value=22 (schematic designator R64)
"R64_IsoSPI 8S RHS" "SR0402JR-0722RL" R_0402 64.9,90.9 r0 top value=22 (schematic designator R64)
"R64_IsoSPI 12S" "SR0402JR-0722RL" R_0402 41.325,52.825 r90 top value=22 (schematic designator R64)
"T1_IsoSPI 8S LHS" "SM91502ALE" SM91502ALE 38.81,92.345 r0 top (schematic designator T1)
"T1_IsoSPI 8S RHS" "SM91502ALE" SM91502ALE 60.3,92.345 r0 top (schematic designator T1)
"T1_IsoSPI 12S" "SM91502ALE" SM91502ALE 39.825,49.11 r90 top (schematic designator T1)
TP1 "VREF1" "Test Point" 38.915,40.075 r90 top
TP2 "VREF2" "Test Point" 40.703,40.075 r180 top
TP3 "5V0_12" "Test Point" 37.425,40.075 r180 top
TP4 "IBIAS" "Test Point" 34.75,40.075 r180 top
TP5 "ICMP" "Test Point" 32.7,40.075 r180 top
TP6 "IPA" "Test Point" 44.65,59.5 r270 top
TP7 "IMA" "Test Point" 44.65,61 r180 top
TP8 "VREF1" "Test Point" 38.625,113 r0 top
TP9 "VREF2" "Test Point" 38.625,111.213 r0 top
TP10 "5V0_8SL" "Test Point" 25.238,137.507 r90 top
TP11 "IBIAS" "Test Point" 38.625,118.95 r90 top
TP12 "ICMP" "Test Point" 38.625,117.475 r90 top
TP13 "5V0_8R" "Test Point" 22,32.25 r90 top
TP14 "5V0_8R" "Test Point" 38.25,137.75 r90 top
TP15 "VREF1" "Test Point" 65.862,118.505 r180 top
TP16 "VREF2" "Test Point" 65.862,120.293 r180 top
TP17 "5V0_8R" "Test Point" 79.762,94.443 r270 top
TP18 "IBIAS" "Test Point" 65.862,113.55 r270 top
TP19 "ICMP" "Test Point" 65.862,115.15 r270 top
TP20 "5V0_8R" "Test Point" 73.5,102.25 r90 top
U1 "LTC6811-2" SSOP50P780X200-48N 38.703,30.081 r90 top
"U2_Temperature Sensing 8S LHS" "CD74HC4067M96" SOIC127P1030X265-24N 25.1,70.975 r0 top (schematic designator U2)
"U2_Temperature Sensing 8S RHS" "CD74HC4067M96" SOIC127P1030X265-24N 79.912,62.138 r180 top (schematic designator U2)
U3 "LTC6811-2" SSOP50P780X200-48N 28.838,113.657 r0 top
U4 "LTC6811-2" SSOP50P780X200-48N 76.162,118.293 r180 top
U5 "CD74HC4067M96" SOIC127P1030X265-24N 63.925,41.1 r180 top